# Altium PCB Flight_Computer_Unit.PcbDoc (part 3 of 3)
Units mm, origin at the board's own origin, x right, y up, seen from the top; angles counter-clockwise.
Board outline 31 x 31 mm, 6 copper layers (Top Layer, GND 2, L3, L4, GND 5, Bottom Layer), stack 1.578 mm thick; 101 components, 159 nets, 565 pads, 257 vias.
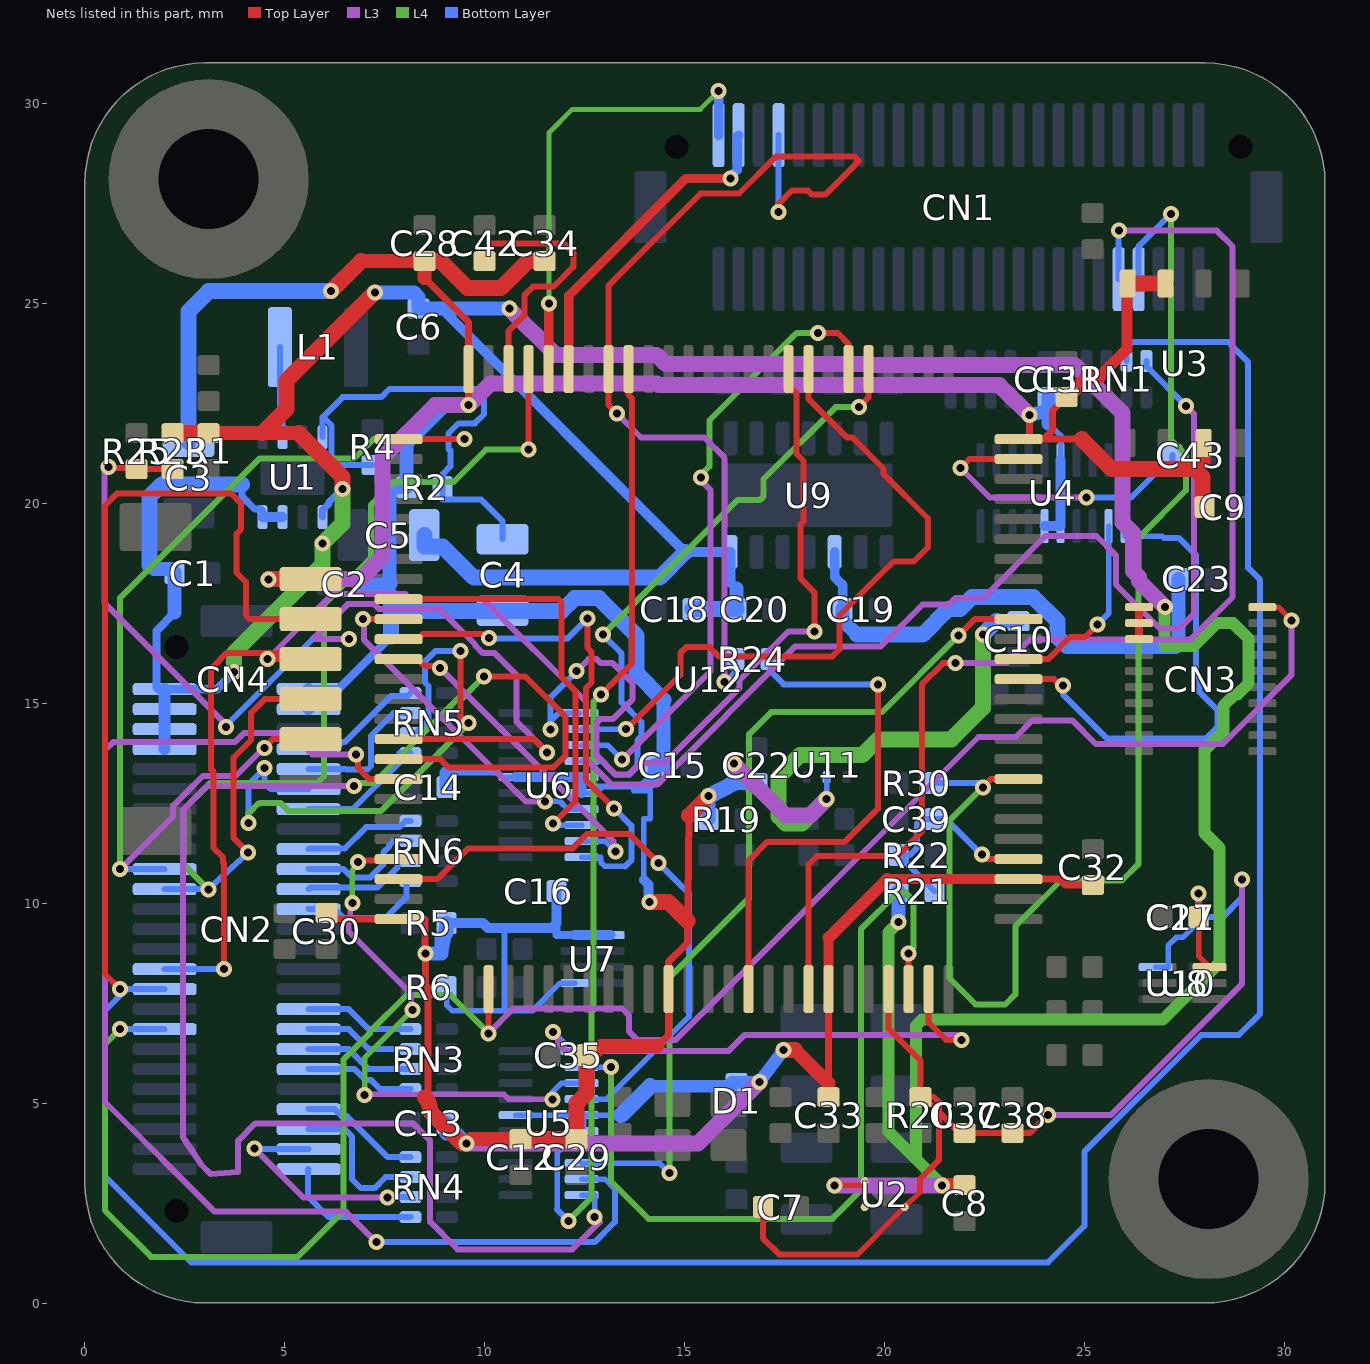
[diagram p7: the nets of this part, all layers, seen from the top]

## Via types
v1: diameter 0.4, hole 0.2, Top Layer to Bottom Layer, 257 vias

## Nets (pads, with @x,y where several pads share a name; then routed paths per layer and width w, separated by ;. In a path a pad name is that pad's centre, name@x,y a point inside that pad or via, vN(x,y) a via of type N, cw(c..) or ccw(c..) an arc to the next point about the centre after c; other vN are vias at no path point) (continued)
SPWR_ON: CN2.35 CN3.2 U12.2 | length 49.7
  Top Layer w0.14: CN3.2@29.44,17.4 29.844,17.4 v1(30.175,17.069)
  Top Layer w0.15: v1(10.1,6.747) U12.2@10.1,7.85
  L3 w0.15: v1(10.1,6.747) 10.719,7.366 13.437,7.366 13.614,7.188 13.614,6.788 13.818,6.585 14.775,6.585 22.346,14.156 23.279,14.156 23.692,14.569 24.689,14.569 25.277,13.98 28.448,13.98 30.175,15.707 v1(30.175,17.069)
  L4 w0.15: v1(0.889,6.858) 0.508,6.477 0.508,2.311 1.663,1.157 5.322,1.157 6.477,2.311 6.477,6.096 7.128,6.747 7.128,6.783 8.045,7.7 9.147,7.7 v1(10.1,6.747)
  Bottom Layer w0.15: v1(0.889,6.858) 0.897,6.85 CN2.35@2,6.85
SS_LED: CN1.10 U12.18 | length 31.6
  Top Layer w0.15: U12.18@18.1,7.85 18.1,10.973 18.303,11.176 20.32,11.176 20.93,11.786 20.93,15.469 21.463,16.002 v1(21.768,16.002)
  L3 w0.15: v1(21.768,16.002) 23.038,16.002 23.628,16.592 27.641,16.592 28.702,17.653 28.702,26.416 28.303,26.815 v1(25.857,26.815)
  Bottom Layer w0.15: CN1.10@25.85,25.6 25.85,26.808 v1(25.857,26.815)
SS_SW: CN1.8 R30.1 U12.33 | length 33.7
  Top Layer w0.15: v1(22.454,12.897) 22.657,13.1 U12.33@23.35,13.1
  L4 w0.15: v1(22.454,12.897) 21.615,12.059 21.615,8.128 22.276,7.468 23.012,7.468 23.266,7.722 23.266,9.423 24.409,10.566 25.933,10.566 26.34,10.973 26.34,19.126 27.534,20.32 27.534,21.209 27.153,21.59 v1(27.153,27.229)
  Bottom Layer w0.15: R30.1@21.25,13 22.35,13 v1(22.454,12.897) ; CN1.8@26.35,25.6 26.35,26.426 v1(27.153,27.229)
SWDCLK: CN2.19 CN4.5 U12.76 | length 26.1
  Top Layer w0.15: v1(4.5,13.875) 4.5,13.897 4.703,14.1 CN4.5@5.65,14.1 ; U12.76@7.85,21.6 v1(9.5,21.6)
  L3 w0.15: v1(0.889,10.85) 2.214,12.175 2.214,12.44 2.953,13.179 3.773,13.179 4.47,13.875 v1(4.5,13.875)
  L4 w0.15: v1(0.889,10.85) 0.889,17.634 4.369,21.113 6.734,21.113 7.221,21.6 v1(9.5,21.6)
  Bottom Layer w0.15: v1(0.889,10.85) CN2.19@2,10.85
SWDIO: CN2.21 CN4.4 U12.72 | length 27.8
  Top Layer w0.15: v1(4.086,11.264) 3.725,11.625 3.725,13.641 4.164,14.08 4.164,14.764 4.5,15.1 CN4.4@5.65,15.1 ; v1(11.1,21.336) U12.72@11.1,23.35
  L4 w0.15: v1(3.099,10.338) 2.475,10.962 2.475,12.347 3.128,13 5.812,13 5.98,13.168 5.98,17.461 7.159,18.64 7.159,19.96 7.722,20.523 9.22,20.523 10.033,21.336 v1(11.1,21.336)
  Bottom Layer w0.15: CN2.21@2,10.35 3.087,10.35 v1(3.099,10.338) ; v1@3.087,10.351 v1(4.086,11.264)
UART1_CTS: U5.8 U12.41 | length 22
  Top Layer w0.15: v1(21.844,16.688) 22.256,17.1 U12.41@23.35,17.1
  L4 w0.15: v1(14.623,3.249) 14.623,8.146 16.612,10.135 16.612,14.224 17.164,14.777 19.933,14.777 v1(21.844,16.688)
  Bottom Layer w0.14: U5.8@12.425,3.5 14.371,3.5
  Bottom Layer w0.15: 14.371,3.5 v1(14.623,3.249)
UART1_CTS_MB: CN2.46 RN4.7 | length 3.9
  Bottom Layer w0.15: CN2.46@5.6,4.35 6.502,4.35 6.68,4.172 6.68,3.105 6.909,2.876 7.248,2.876 7.521,3.15 RN4.7@8.145,3.15
UART1_RTS: U5.7 U12.67 | length 24.5
  Top Layer w0.15: v1(12.903,15.215) 13.678,15.99 13.678,22.622 13.6,22.7 U12.67@13.6,23.35
  L4 w0.15: v1(12.09,2.057) 12.669,2.636 12.669,7.278 12.725,7.335 12.725,15.037 v1(12.903,15.215)
  Bottom Layer w0.14: 11.811,2.337 11.811,3.759 11.952,3.9 U5.7@12.425,3.9
  Bottom Layer w0.15: 11.811,2.337 v1(12.09,2.057)
UART1_RTS_MB: CN2.44 RN4.8 | length 3
  Bottom Layer w0.15: CN2.44@5.6,4.85 6.25,4.85 6.425,4.675 6.556,4.675 7.581,3.65 RN4.8@8.145,3.65
UART1_RX: U5.9 U12.93 | length 33.1
  Top Layer w0.15: v1(6.782,13.716) 6.83,13.668 6.83,13.382 7.112,13.1 U12.93@7.85,13.1
  L3 w0.15: v1(6.782,13.716) 5.69,13.716 5.156,14.25 3.98,14.25 3.755,14.025 0.715,14.025 0.508,13.818 0.508,5.029 3.251,2.286 6.528,2.286 v1(7.29,1.524)
  Bottom Layer w0.14: U5.9@12.425,3.1 13.005,3.1 13.259,2.846 13.259,2.032
  Bottom Layer w0.15: v1(7.29,1.524) 12.751,1.524 13.259,2.032
UART1_RX_MB: CN2.48 RN4.6 | length 5.8
  L3 w0.15: v1(4.248,3.861) 5.468,2.642 v1(7.569,2.642)
  Bottom Layer w0.15: v1(4.248,3.861) 4.259,3.85 CN2.48@5.6,3.85 ; v1(7.569,2.642) 7.578,2.65 RN4.6@8.145,2.65
UART1_TX: U5.10 U12.92 | length 40.6
  Top Layer w0.15: U12.92@7.85,13.6 8.89,13.6 9.104,13.386 11.709,13.386 12.025,13.701 12.025,14.656 11.009,15.672 v1(9.982,15.672)
  L3 w0.15: v1(6.731,12.929) 3.056,12.929 2.464,12.336 2.464,4.14 2.921,3.454 3.15,3.226 3.835,3.277 3.835,4.064 4.267,4.496 8.204,4.496 8.636,4.064 8.636,2.032 9.322,1.346 12.192,1.346 12.878,2.032 v1(12.751,2.159)
  L4 w0.15: v1(6.731,12.929) 6.807,13.005 7.221,13.005 9.341,15.125 9.435,15.125 v1(9.982,15.672)
  Bottom Layer w0.14: U5.10@12.425,2.7 12.751,2.7 v1(12.751,2.159)
UART1_TX_MB: CN2.50 RN4.5 | length 3.5
  Bottom Layer w0.15: CN2.50@5.6,3.35 5.588,3.35 5.588,2.658 6.096,2.15 RN4.5@8.145,2.15
UART2_CTS: U6.8 U12.84 | length 10.7
  Top Layer w0.15: U12.84@7.85,17.6 11.837,17.6 11.925,17.512 11.925,15.645 12.275,15.295 12.275,12.554 v1(11.709,11.989)
  Bottom Layer w0.14: v1(11.709,11.989) 11.748,11.95 U6.8@12.425,11.95
UART2_CTS_MB: CN2.20 RN6.7 | length 3.2
  Bottom Layer w0.15: CN2.20@5.6,10.85 6.477,10.85 6.68,10.647 7.142,10.647 7.468,10.973 7.468,11.269 7.609,11.41 7.609,11.438 7.722,11.55 RN6.7@8.145,11.55
UART2_RTS: U6.7 U12.85 | length 8.6
  Top Layer w0.15: v1(6.96,17.1) U12.85@7.85,17.1
  L3 w0.15: v1(6.96,17.1) 6.98,17.08 6.98,16.59 11.022,12.548 v1(11.512,12.548)
  Bottom Layer w0.14: v1(11.512,12.548) 11.877,12.548 12.075,12.35 U6.7@12.425,12.35
UART2_RTS_MB: CN2.18 RN6.8 | length 2.8
  Bottom Layer w0.15: CN2.18@5.6,11.35 5.618,11.368 6.506,11.368 7.038,11.9 7.87,11.9 8.02,12.05 RN6.8@8.145,12.05
UART2_RX: U6.9 U12.87 | length 8.5
  Top Layer w0.15: U12.87@7.85,16.1 8.325,16.1 8.493,15.932 8.833,15.932 v1(8.88,15.885)
  L3 w0.15: v1(8.88,15.885) 13.224,11.541 13.224,11.338 v1(13.271,11.29)
  Bottom Layer w0.14: U6.9@12.425,11.55 13.012,11.55 v1(13.271,11.29)
UART2_RX_MB: CN2.22 RN6.6 | length 2.9
  Bottom Layer w0.15: CN2.22@5.6,10.35 5.647,10.397 7.323,10.397 7.823,10.897 7.823,11.05 RN6.6@8.145,11.05
UART2_TX: U6.10 U12.86 | length 13.1
  Top Layer w0.15: U12.86@7.85,16.6 8.325,16.6 8.45,16.725 9.942,16.725 10.042,16.625 v1(10.11,16.625) ; v1(12.573,17.12) 12.573,16.378 12.675,16.276 12.675,15.517 12.528,15.37 12.528,13.075 v1(13.233,12.37)
  Bottom Layer w0.14: U6.10@12.425,11.15 12.903,11.15 12.903,11.022 13.005,10.92 13.513,10.92
  Bottom Layer w0.15: v1(10.11,16.625) 10.123,16.612 12.065,16.612 v1(12.573,17.12) ; v1(13.233,12.37) 13.665,11.938 13.665,11.073 13.513,10.92
UART2_TX_MB: CN2.24 RN6.5 | length 3.2
  Bottom Layer w0.15: CN2.24@5.6,9.85 6.25,9.85 6.475,9.625 7.517,9.625 8.052,10.16 8.052,10.55 RN6.5@8.145,10.55
UART3_CTS: U6.2 U12.58 | length 17.3
  Top Layer w0.15: v1(13.538,14.351) 14.89,15.703 14.89,16.256 15.037,16.402 15.621,16.402 15.853,16.17 18.694,16.17 18.867,16.342 18.867,17.192 20.216,18.542 20.726,18.542 21.082,18.898 21.082,19.618 19.975,20.725 19.975,20.855 19.186,21.645 19.055,21.645 18.1,22.6 U12.58@18.1,23.35
  Bottom Layer w0.14: U6.2@12.425,14.35 v1(13.538,14.351)
  Bottom Layer w0.15: v1(13.538,14.351) v1(13.538,14.351)
UART3_CTS_MB: CN2.10 RN5.7 | length 3.6
  Bottom Layer w0.15: CN2.10@5.6,13.35 6.525,13.35 6.534,13.341 7.069,13.341 7.157,13.429 7.157,14.185 7.722,14.75 RN5.7@8.145,14.75
UART3_RTS: U6.1 U12.59 | length 20.6
  Top Layer w0.15: U12.59@17.6,23.35 17.6,22.875 17.65,22.825 17.712,22.825 17.8,22.737 17.8,21.228 17.975,21.053 17.975,19.545 17.9,19.47 17.9,18.114 18.242,17.772 v1(18.242,16.795)
  L3 w0.15: v1(12.3,15.8) 12.601,16.1 12.8,16.1 12.9,16 13.2,16 13.7,15.5 13.7,15.1 13.2,14.6 12.888,14.6 12.8,14.512 12.8,13.695 13.281,13.214 13.592,13.214 13.878,13.5 14.493,13.5 16.367,15.374 16.367,15.567 17.595,16.795 v1(18.242,16.795)
  Bottom Layer w0.14: 11.65,14.547 11.853,14.75 U6.1@12.375,14.75
  Bottom Layer w0.15: 11.65,14.547 11.65,15.15 v1(12.3,15.8)
  other v1: 11.65,14.344
UART3_RTS_MB: CN2.8 RN5.8 | length 3.1
  Bottom Layer w0.15: CN2.8@5.6,13.85 6.25,13.85 6.425,14.025 6.504,14.025 7.654,15.175 8.07,15.175 RN5.8@8.145,15.25
UART3_RX: U6.3 U12.56 | length 15.9
  Top Layer w0.15: v1(18.339,24.257) 18.821,24.257 19.1,23.978 U12.56@19.1,23.35
  L3 w0.15: v1(13.437,13.589) 15.64,15.793 15.64,20.335 15.406,20.569 v1(15.406,20.636)
  L4 w0.15: v1(15.406,20.636) 15.406,20.704 15.621,20.919 15.621,22.073 17.805,24.257 v1(18.339,24.257)
  Bottom Layer w0.14: U6.3@12.425,13.95 13.076,13.95 v1(13.437,13.589)
UART3_RX_MB: CN2.12 RN5.6 | length 15
  Top Layer w0.15: v1(9.4,16.3) 9.4,14.588 9.444,14.588 9.532,14.5 v1(9.6,14.5)
  L4 w0.15: v1(4.1,12) 4.1,12.25 4.34,12.491 4.391,12.491 4.4,12.5 4.9,12.5 5.1,12.3 7.4,12.3 v1(9.6,14.5)
  Bottom Layer w0.15: v1(4.1,12) 4.1,12.975 v1(4.5,13.375) 4.5,13.005 4.655,12.85 CN2.12@5.6,12.85 ; RN5.6@8.145,14.25 8.27,14.25 8.445,14.425 8.449,14.425 8.595,14.571 8.595,15.429 8.505,15.518 8.505,16.04 8.766,16.3 v1(9.4,16.3)
UART3_TX: U6.4 U12.55 | length 15.4
  Top Layer w0.15: v1(19.355,22.403) 19.6,22.648 U12.55@19.6,23.35
  L4 w0.15: v1(12.954,16.713) 16.316,20.075 16.875,20.075 16.975,20.175 16.975,20.605 18.773,22.403 v1(19.355,22.403)
  Bottom Layer w0.14: U6.4@12.425,13.55 12.917,13.55 13.259,13.208 13.614,13.208
  Bottom Layer w0.15: v1(12.954,16.713) 13.425,16.242 13.425,15.023 13.919,14.529 13.919,14.173 13.818,14.072 13.818,13.411 13.614,13.208
UART3_TX_MB: CN2.14 RN5.5 | length 3.3
  Bottom Layer w0.15: CN2.14@5.6,12.35 6.696,12.35 7.874,13.528 7.874,13.75 RN5.5@8.145,13.75
UART4_RX: U5.1 U12.24 | length 13.6
  Top Layer w0.15: U12.24@21.1,7.85 21.1,7.018 21.539,6.579 v1(21.92,6.579)
  L3 w0.15: v1(11.709,6.782) 11.836,6.782 11.836,6.502 12.04,6.299 16.09,6.299 16.491,6.7 21.799,6.7 v1(21.92,6.579)
  Bottom Layer w0.14: v1(11.709,6.782) 11.989,6.502 11.989,6.3 U5.1@12.375,6.3
UART4_RX_MB: CN2.34 RN3.8 | length 2.8
  Bottom Layer w0.15: CN2.34@5.6,7.35 6.604,7.35 7.104,6.85 RN3.8@8.145,6.85
UART4_TX: U5.2 U12.23 | length 21.1
  Top Layer w0.15: U12.23@20.6,7.85 v1(20.6,8.738)
  L4 w0.15: v1(13.157,5.9) 13.157,3.048 14.097,2.108 18.694,2.108 19.406,2.819 19.406,9.347 20.32,10.262 20.523,10.262 20.726,10.058 20.726,8.864 v1(20.6,8.738)
  Bottom Layer w0.14: U5.2@12.425,5.9 v1(13.157,5.9)
UART4_TX_MB: CN2.36 RN3.7 | length 2.8
  Bottom Layer w0.15: CN2.36@5.6,6.85 6.604,6.85 7.104,6.35 RN3.7@8.145,6.35
UART7_RX: U4.1 U12.38 | length 12.6
  Top Layer w0.15: U12.38@23.35,15.6 24.232,15.6 24.312,15.519 24.384,15.519 v1(24.46,15.443)
  Bottom Layer w0.14: U4.1@26,19.475 26,19.177 26.936,19.177 26.981,19.132
  Bottom Layer w0.15: v1(24.46,15.443) 24.46,15.215 25.552,14.122 28.042,14.122 28.315,14.396 28.315,14.834 27.875,15.274 27.875,15.605 27.777,15.703 27.777,18.705 27.35,19.132 26.981,19.132
UART7_RX_MB: CN2.29 CN4.3 RN1.8 | length 50.1
  Top Layer w0.15: v1(3.48,8.35) 3.48,10.986 3.461,11.005 3.461,11.141 3.225,11.377 3.225,13.285 3.164,13.346 3.164,15.864 3.556,16.256 5.182,16.256 CN4.3@5.182,16.1 ; v1(4.572,16.104) 4.576,16.1 CN4.3@5.182,16.1 ; CN4.3@5.65,16.1 CN4.3@5.182,16.1
  L3 w0.15: v1(4.572,16.104) 6.193,17.725 8.019,17.725 8.142,17.602 9.967,17.602 12.528,15.041 12.528,13.614 13.178,12.964 14.31,12.964 17.766,16.42 19.901,16.42 20.945,17.464 21.605,17.464 21.769,17.628 22.463,17.628 24.014,19.178 25.297,19.178 25.781,18.694 25.781,17.966 26.881,16.866 27.375,16.866 27.731,17.221 27.731,22.233 v1(27.54,22.424)
  Bottom Layer w0.15: CN2.29@2,8.35 v1(3.48,8.35) ; RN1.8@26.545,23.555 26.545,23.419 v1(27.54,22.424)
UART7_TX: U4.2 U12.39 | length 4.9
  Top Layer w0.15: U12.39@23.35,16.1 24.09,16.1 24.644,16.654 25.011,16.654 v1(25.324,16.967)
  Bottom Layer w0.14: 25.6,17.243 U4.2@25.6,19.425
  Bottom Layer w0.15: v1(25.324,16.967) 25.6,17.243
UART7_TX_MB: CN2.31 CN4.2 RN1.7 | length 80
  Top Layer w0.15: v1(0.889,7.849) 0.508,8.23 0.508,19.939 0.813,20.244 3.658,20.244 3.912,19.99 3.912,19.352 3.791,19.231 3.791,18.268 4.034,18.025 4.034,17.188 4.121,17.1 CN4.2@5.65,17.1
  Bottom Layer w0.15: v1(0.889,7.849) 0.89,7.85 v1@1.043,7.85 ; CN2.31@2,7.85 v1@1.043,7.85 ; RN1.7@26.045,23.555 26.045,23.876 26.197,24.028 28.587,24.028 29.089,23.526 29.089,18.383 29.388,18.085 29.388,7.239 28.854,6.706 27.915,6.706 24.994,3.785 24.994,1.93 24.079,1.016 2.667,1.016 0.508,3.175 0.508,7.315 v1@1.043,7.85
UART8_RX: U5.3 U12.97 | length 13.9
  Top Layer w0.15: v1(6.829,11.029) 6.864,11.064 7.814,11.064 U12.97@7.85,11.1
  L3 w0.14: v1(6.692,10) 6.643,9.95 6.643,9.643 6.6,9.6 6.6,9.298 8.163,7.735 8.163,7.362 v1(8.2,7.325) ; v1(7,5.2) 7.021,5.221 10.488,5.221 10.615,5.094 v1(11.7,5.094)
  L4 w0.14: v1(6.692,10) 6.687,10.005 6.687,10.817 6.829,10.958 v1(6.829,11.029) ; v1(7,5.2) 7,6.125 v1(8.2,7.325)
  Bottom Layer w0.14: v1(11.7,5.094) 11.7,5.283 11.917,5.5 U5.3@12.425,5.5
UART8_RX_MB: CN2.38 RN3.6 | length 2.8
  Bottom Layer w0.15: CN2.38@5.6,6.35 6.604,6.35 7.104,5.85 RN3.6@8.145,5.85
UART8_TX: U5.4 U12.98 | length 15
  Top Layer w0.15: U12.98@7.85,10.6 8.814,10.6 9.578,11.364 12.192,11.364 12.554,11.726 13.623,11.726 v1(14.351,10.998)
  Bottom Layer w0.14: U5.4@12.425,5.1 13.05,5.1 15.113,7.163
  Bottom Layer w0.15: v1(14.351,10.998) 15.113,10.236 15.113,7.163
UART8_TX_MB: CN2.40 RN3.5 | length 2.8
  Bottom Layer w0.15: CN2.40@5.6,5.85 6.75,5.85 7.025,5.575 7.16,5.575 7.385,5.35 RN3.5@8.145,5.35
USB_N: CN1.47 U12.70 | length 8.3
  Top Layer w0.23: U12.70@12.1,23.35 12.1,25.188 15.029,28.118 v1(16.147,28.118)
  Bottom Layer w0.23: v1(16.147,28.118) 16.147,28.164 16.315,28.332 16.315,29.165 CN1.47@16.35,29.2
USB_P: CN1.49 U12.71 | length 11.7
  Top Layer w0.23: U12.71@11.6,23.35 11.6,24.986 v1(11.608,24.994)
  L4 w0.126: v1(11.608,24.994) 11.608,29.261 12.192,29.845 15.393,29.845 v1(15.85,30.302)
  Bottom Layer w0.23: CN1.49@15.85,29.2 v1(15.85,30.302)
USB_VBUS: CN1.43 R24.1 U12.68 | length 25
  Top Layer w0.15: v1(13.303,22.247) 13.1,22.45 U12.68@13.1,23.35 13.1,25.444 15.398,27.743 16.358,27.743 17.278,28.663 19.241,28.663 19.355,28.55 18.517,27.711 18.186,27.711 18.08,27.818 17.678,27.818 17.348,27.488 v1(17.348,27.28)
  L3 w0.15: v1(13.303,22.247) 13.909,21.641 15.494,21.641 16.002,21.133 16.002,15.54 v1(15.992,15.53)
  Bottom Layer w0.15: v1(15.992,15.53) 16.012,15.53 16.25,15.767 R24.1@16.25,16.1 ; v1(17.348,27.28) 17.35,27.281 CN1.43@17.35,29.2
USB_VBUS_SENSE: R24.2 U12.15 | length 13.2
  Top Layer w0.15: U12.15@16.6,7.85 16.6,11.063 17.069,11.532 18.999,11.532 19.837,12.37 v1(19.837,15.469)
  Bottom Layer w0.15: R24.2@17.15,16.1 17.15,15.795 17.475,15.469 v1(19.837,15.469)
VCAP1: C43.1 U12.49 | length 7.8
  Top Layer w0.15: v1(21.895,20.879) 22.116,21.1 U12.49@23.35,21.1
  L3 w0.15: v1(21.895,20.879) 22.631,20.142 v1(25.044,20.142)
  Bottom Layer w0.15: v1(25.044,20.142) 26.162,20.142 26.848,20.828 27.2,20.828 C43.1@27.2,21.2
VCAP2: C42.1 U12.73 | length 6.5
  Top Layer w0.15: C42.1@10,26.05 10.16,26.492 11.989,26.492 12.217,26.264 12.217,25.908 11.722,25.412 11.208,25.412 10.992,25.197 10.992,24.7 10.6,24.308 U12.73@10.6,23.35
VCC3: C2.2 C3.2 C4.2 C9.2 C10.2 C11.2 C12.2 C13.2 C14.2 C15.1 C16.2 C22.2 C28.1 C29.1 C30.1 C31.1 C32.1 C33.1 C34.1 C35.1 CN2.2 CN2.4 CN4.1 D1.2 R2.2 R5.1 R6.2 R19.2 U3.3 U3.7 U3.8 U4.5 U4.6 U4.16 U5.5 U5.6 U5.16 U6.5 U6.6 U6.16 U7.1 U7.5 U7.8 U11.5 U12.11 U12.19 U12.28 U12.50 U12.75 U12.100 | length 174.6
  Top Layer w0.175: C30.1@6.05,9.75 6.2,9.6 8.509,9.6 v1@8.509,8.745 ; 8.5,25.629 9.6,24.529 U12.75@9.6,23.35 v1(9.6,22.45) ; 8.509,5.141 8.587,5.22 8.587,7.885 8.517,7.956 v1(8.517,8.738) ; 14.321,6.426 14.6,6.706 U12.11@14.6,7.85 14.6,8.534 15.069,9.003 ; 15.069,9.559 15.069,9.003 ; 15.114,12.188 15.069,9.003 ; C33.1@18.6,5.15 18.6,5.486 U12.19@18.6,7.85 ; U12.28@23.35,10.6 24.365,10.6 24.515,10.45 C32.1@25.205,10.45 ; U12.50@23.35,21.6 U12.50@23.47,21.6 ; v1(23.622,22.2) 23.622,21.638 23.584,21.6 U12.50@23.47,21.6 ; C31.1@24.55,22.65 24.525,22.65 24.194,22.319 24.194,21.816 23.978,21.6 ; 24.933,21.6 23.978,21.6 ; U12.50@23.47,21.6 23.978,21.6
  Top Layer w0.25: U12.19@18.6,7.85 18.6,9.139 ; 20.061,10.6 U12.28@23.35,10.6
  Top Layer w0.28: 25.375,23.165 26.06,23.849 26.06,25.475 U3.8@26.075,25.49
  Top Layer w0.3: 18.6,9.139 20.061,10.6
  Top Layer w0.35: 6.909,26.05 C28.1@8.5,26.05 8.5,25.629 ; v1@9.663,4.1 C12.2@10.9,4.1 ; C35.1@12.55,6.2 12.7,6.2 12.926,6.426 14.321,6.426 ; 17.762,6.325 18.6,5.486 ; C31.1@24.55,22.65 24.625,22.725 24.65,22.725 25.09,23.165 25.375,23.165 ; U3.3@27.95,21.485 U3.3@27.975,21.51
  Top Layer w0.4: v1(4.592,18.091) 4.601,18.1 CN4.1@5.65,18.1 ; v1(6.157,25.298) 6.909,26.05 ; C28.1@8.5,26.05 8.9,26.05 9.576,25.375 10.399,25.375 11.074,26.05 C34.1@11.5,26.05 ; 8.51,5.141 cw(c8.23,4.855) 8.63,4.855 8.63,4.801 9.444,3.988 v1(9.55,3.988) ; C12.2@10.9,4.1 C29.1@12.3,4.1 12.3,5.004 12.55,5.254 C35.1@12.55,6.2 ; v1(14.125,10.028) 14.6,10.028 15.069,9.559 ; 15.114,12.188 v1(15.6,12.675) ; v1(17.475,6.325) 17.762,6.325 ; 24.933,21.6 25.679,20.853 27.746,20.853 ; U3.8@26.075,25.49 U3.7@27.025,25.49 ; U3.3@27.95,21.485 27.95,21.057 27.746,20.853 ; C9.2@28,19.9 27.95,19.95 27.95,20.649 27.746,20.853
  L3 w0.4: v1(4.592,18.091) 4.601,18.1 6.899,18.1 7.442,18.644 7.442,21.133 8.759,22.45 v1(9.6,22.45) 10.147,22.997 14.303,22.997 14.346,22.954 22.868,22.954 v1(23.622,22.2) ; v1(9.55,3.988) 15.328,3.988 v1(16.866,5.525) ; v1(16.231,13.487) 17.526,12.192 18.136,12.192 v1(18.55,12.606)
  L4 w0.4: v1(18.55,12.606) 17.932,11.989 17.526,11.989 17.348,12.167 17.348,13.165 17.882,13.699 19.439,13.699 19.837,14.097 21.666,14.097 22.454,14.884 v1(22.454,16.713)
  Bottom Layer w0.14: R6.2@9.05,7.9 9.05,7.45 9.185,7.315 10.5,7.315 11.202,7.315 11.887,8 U7.5@12.25,8 ; 9.05,13.259 10.341,13.259 10.45,13.15 U6.16@10.775,13.15 ; U5.16@10.775,4.7 U5.5@12.425,4.7 13.411,4.7 ; U6.6@12.425,12.75 U6.6@12.787,12.75 ; 13.98,10.581 13.98,12.106 14.137,12.106 14.137,12.816 13.73,12.816 13.73,12.918 ; 14.021,12.918 13.73,12.918 ; v1(18.55,12.606) U11.5@18.55,13.15 ; 24.1,21.992 24.4,21.692 U4.16@24.4,21.075 ; U6.6@12.787,12.75 12.787,12.918 12.955,12.918 ; U6.6@12.787,12.75 12.955,12.918 ; 12.955,12.918 13.73,12.918
  Bottom Layer w0.15: 10.5,7.315 10.5,9.375
  Bottom Layer w0.2: 11.8,9.5 11.8,9.2 U7.8@12.25,9.2
  Bottom Layer w0.21: CN2.2@5.6,15.35 6.349,15.35 7.663,16.664
  Bottom Layer w0.25: R5.1@9.05,9.5 9.963,9.5 10.088,9.375 10.5,9.375 11.675,9.375 11.8,9.5 C16.2@11.8,10.3 ; U6.16@10.775,13.15 U6.5@12.425,13.15 U6.6@12.425,12.75 ; U7.8@12.25,9.2 U7.1@13.15,9.2 ; U5.6@12.425,4.3 U5.5@12.425,4.7 ; 13.98,10.581 14.096,10.466 14.096,10.056 v1(14.125,10.028) ; U4.6@24,19.425 U4.5@24.4,19.425 U4.16@24.4,21.075
  Bottom Layer w0.3: CN2.4@5.6,14.85 CN2.2@5.6,15.35
  Bottom Layer w0.315: 14.136,5.425 16.183,5.425 16.183,5.525 D1.2@16.3,5.525 v1(16.866,5.525) v1(17.475,6.325)
  Bottom Layer w0.35: C2.2@6.95,17.97 7.371,17.97 ; 7.595,17.97 7.371,17.97 ; 7.62,17.995 7.62,20.298 7.722,20.4 R2.2@8.05,20.4 8.05,21.488 9.012,22.45 ; 8.031,17.31 7.663,17.678 7.371,17.97 ; v1(8.517,8.738) 8.917,8.738 ; C13.2@9.05,4.5 C13.2@9.05,4.488 ; C14.2@9.05,12.9 9.05,13.259 ; v1(9.55,3.988) 9.296,4.242 ; 14.021,12.918 14.25,13.147 C15.1@14.25,13.45 14.466,13.45 14.466,15.076 ; R19.2@15.6,12.1 v1(15.6,12.675) ; v1(16.231,13.487) 16.231,13 C22.2@16.8,13 ; 22.79,17.05 C10.2@23.35,17.05 ; v1(23.622,22.2) 24.1,22.322 ; 24.1,21.992 24.1,22.322 ; C11.2@24.1,22.65 24.1,22.322 ; 8.917,8.738 8.917,9.117 8.997,9.197 ; 8.917,8.738 8.997,9.197 ; 8.997,9.197 R5.1@9.05,9.5 9.05,9.25 8.997,9.197 ; C13.2@9.05,4.488 9.296,4.242 ; C13.2@9.05,4.488 9.05,4.242 9.296,4.242
  Bottom Layer w0.4: C3.2@2.6,21.535 2.591,21.535 2.591,24.79 3.099,25.298 v1(6.157,25.298) ; 7.595,17.97 7.62,17.995 ; 7.663,16.664 7.663,17.678 ; 8.031,17.31 C4.2@10.45,17.31 11.931,17.31 12.248,17.627 12.856,17.627 13.8,16.684 13.8,15.742 14.466,15.076 ; 9.012,22.45 v1(9.6,22.45) ; 13.411,4.7 14.136,5.425 ; v1(15.6,12.675) 16.231,13 ; v1(22.454,16.713) 22.79,17.05
VCC3A: C7.2 C17.2 C21.2 C37.1 C38.2 R20.1 U2.1 U8.6 U10.6 U12.22 | length 30.2
  Top Layer w0.14: 19.319,1.219 U2.1@20.5,2.4 20.879,2.779 ; C17.2@27.85,9.65 27.85,8.675 U8.6@28.125,8.4
  Top Layer w0.15: C7.2@16.955,2.4 16.955,1.626 17.361,1.219 19.319,1.219 ; U12.22@20.1,7.85 20.1,6.858 20.9,6.058 R20.1@20.9,5.15 R20.1@20.98,5.15 ; 20.879,2.779 20.879,3.099 21.361,3.581 21.361,4.769 ; v1(24.079,4.699) 23.63,4.25 C38.2@23.2,4.25 C37.1@22,4.25 21.88,4.25 21.361,4.769 ; C17.2@27.85,9.65 v1(27.85,10.236) ; R20.1@20.98,5.15 21.234,5.15 21.361,5.023 21.361,4.769 ; R20.1@20.98,5.15 21.361,4.769
  L3 w0.15: v1(24.079,4.699) 25.654,4.699 28.931,7.976 v1(28.931,10.592)
  Bottom Layer w0.14: U10.6@26.775,8.4 27.087,8.4 27.087,8.941 27.291,9.144 27.457,9.144 C21.2@27.85,9.537
  Bottom Layer w0.15: C21.2@27.85,9.537 C21.2@27.85,9.65 ; v1(27.85,10.236) C21.2@27.85,9.65 ; v1(28.931,10.592) 28.931,10.133 28.448,9.65 C21.2@27.85,9.65
VCC5: C1.2 C5.2 C6.2 C8.2 C18.2 C19.2 C20.2 C23.2 CN2.1 CN2.3 CN2.5 CN2.7 CN3.1 CN3.3 CN3.5 R1.2 R21.2 R23.2 U1.5 U1.7 U1.8 U2.3 U2.4 U9.3 U9.7 | length 125.1
  Top Layer w0.14: v1(18.745,2.946) 19.396,2.946 U2.3@19.5,3.05 U2.4@19.5,2.4
  Top Layer w0.2: CN3.5@26.36,16.6 CN3.3@26.36,17 CN3.1@26.36,17.4
  Top Layer w0.35: R1.2@3.1,21.75 4.439,21.75 5.35,21.75 ; v1@21.441,2.95 C8.2@22,2.95
  Top Layer w0.4: R23.2@2.2,21.75 R1.2@3.1,21.75 ; 4.439,21.75 5.041,22.352 5.041,23.058 v1(7.256,25.273) ; 5.35,21.75 6.441,20.659 v1(6.441,20.353) ; v1(21.438,2.946) v1@21.441,2.95
  L3 w0.4: v1(10.617,24.865) 11.772,23.71 14.297,23.71 14.532,23.475 19.629,23.475 19.651,23.454 24.748,23.454 25.944,22.258 25.944,19.519 26.21,19.252 26.21,18.299 26.352,18.157 26.352,18.057 v1(27.01,17.4) ; v1(18.745,2.946) v1(21.438,2.946)
  L4 w0.3: v1(20.35,9.525) 20.091,9.266 20.091,4.293 20.777,3.607 ; v1(21.438,2.946) 20.777,3.607 ; v1(27.01,17.4) 27,17.391 27,16.424 27.724,16.424 28.3,17 28.707,17 29.1,16.607 29.1,15.5 28.817,15.217 28.748,15.217 28.465,14.935 28.465,14.297 27.996,13.828 27.996,11.755 28.372,11.379 28.372,8.509 26.949,7.087 20.93,7.087 20.777,6.934 20.777,3.607
  L4 w0.4: v1(3.734,15.773) 3.734,16.256 5.95,18.472 v1(5.95,18.993) 6.441,19.484 v1(6.441,20.353)
  Bottom Layer w0.175: 3.928,20.472 3.928,20.172 4.245,19.855 4.412,19.855 4.45,19.817 U1.8@4.45,19.65 ; U1.5@5.95,19.65 5.95,19.825 6.11,19.985 6.11,20.029 6.433,20.353 v1(6.441,20.353)
  Bottom Layer w0.21: 2.25,17.263 1.795,16.808 1.795,15.395 1.84,15.35 CN2.1@2,15.35 3.31,15.35 v1(3.734,15.773)
  Bottom Layer w0.245: 8.917,24.865 15.002,18.78 15.021,18.78 U9.7@16.15,18.78 16.15,18.013 16.3,17.863 ; U9.3@18.75,18.78 18.75,18.158 18.95,17.958 C19.2@18.95,17.35
  Bottom Layer w0.25: U1.8@4.45,19.65 U1.7@4.95,19.65
  Bottom Layer w0.3: CN2.7@2,13.85 CN2.1@2,15.35
  Bottom Layer w0.35: 1.626,18.453 1.729,18.35 2.175,18.35 2.25,18.275 2.25,17.263 ; v1(7.256,25.273) 8.23,25.273 8.35,25.153 C6.2@8.35,24.865 8.917,24.865 v1(10.617,24.865) ; C20.2@16.3,17.35 16.3,17.863 ; C19.2@18.95,17.35 18.95,17.067 19.304,16.713 ; v1(20.35,9.525) R21.2@20.35,10.3 ; 27.35,16.501 C23.2@27.35,18.105
  Bottom Layer w0.4: 1.626,18.453 1.626,20.169 1.929,20.472 3.928,20.472 ; C5.2@8.49,19.2 8.49,18.923 8.941,18.923 9.728,18.136 14.376,18.136 15.021,18.78 ; C18.2@15.2,17.35 C20.2@16.3,17.35 ; 19.304,16.713 20.948,16.713 21.594,17.36 21.888,17.36 22.181,17.653 23.718,17.653 24.316,17.055 24.316,16.662 24.552,16.426 27.275,16.426 27.35,16.501
VCC5_SENSE: C39.2 R21.1 R22.2 U12.29 | length 5.4
  Top Layer w0.15: v1(22.428,11.211) 22.539,11.1 U12.29@23.35,11.1
  Bottom Layer w0.15: R21.1@21.25,10.3 21.245,10.3 20.35,11.195 R22.2@20.35,11.2 20.625,11.2 20.803,11.378 20.803,11.989 20.914,12.1 C39.2@21.25,12.1 21.539,12.1 v1(22.428,11.211)
VCC5_SENSE_B: R23.1 R25.2 U12.91 | length 26.5
  Top Layer w0.15: v1(0.6,20.9) 0.625,20.875 1.275,20.875 R25.2@1.3,20.85 R23.1@2.2,20.85 ; U12.91@7.85,14.1 11.231,14.1 v1(11.56,13.771)
  L3 w0.15: v1(0.6,20.9) 0.588,20.9 0.5,20.812 0.5,17.5 3.539,14.461 v1(3.539,14.4) ; v1(6.605,16.6) 5.8,16.6 5.75,16.65 6.575,17.475 7.241,17.475 7.364,17.352 8.878,17.352 9.775,16.455 9.775,16.429 9.954,16.25 10.25,16.25 10.8,15.7 10.8,14.531 v1(11.56,13.771)
  Bottom Layer w0.15: v1(3.539,14.4) 3.539,14.443 5.696,16.6 v1(6.605,16.6)
VCC_FB: C4.1 R2.1 R4.2 U1.4 | length 12.6
  Bottom Layer w0.15: U1.4@5.95,21.65 5.95,22.13 ; R4.2@7.2,20.95 6.33,20.95 6.172,21.107 6.172,21.946 5.988,22.13 5.95,22.13 ; C4.1@10.45,19.1 10.45,19.551 9.904,20.097 8.95,20.097 R2.1@8.95,20.4 8.95,20.726 9.144,20.92 9.144,21.311 9.093,21.361 9.093,21.742 9.347,21.996 9.754,21.996 9.982,22.225 9.982,22.631 9.754,22.86 7.62,22.86 7.411,22.651 6.452,22.651 5.95,22.149 5.95,22.13
VCC_SW: L1.1 U1.2 | length 2.3
  Bottom Layer w0.15: L1.1@4.88,23.9 4.88,22.295 4.95,22.225 U1.2@4.95,21.65
pads on no net: CN1.H1 CN1.H2 CN2.6 CN2.9 CN2.39 CN2.H1 CN2.H2 U8.3 U10.3

## Polygon pours and split planes (outlines as drawn)
VCC3 on L3 "VCC3_L06_P-001" (solid, remove dead copper, pour order 25): 27.803,24.496 27.979,3.311 4.354,3.311 3.686,4.731 3.863,24.457
VCC5 on L3 "VCC3_L06_P-001" (solid, remove dead copper, pour order 24): 28.006,16.608 28.006,25.5 9.943,25.5 9.849,21.593
GND on L3 "GND_L03_P018" (solid, remove dead copper, pour order 18): 3.006,0.006 cw(c3.006,3.006) 0.006,3.006 0.006,28.006 cw(c3.006,28.006) 3.006,31.006 28.006,31.006 cw(c28.006,28.006) 31.006,28.006 31.006,3.006 cw(c28.006,3.006) 28.006,0.006
GND on L3 "VCC5_L06_P-001" (solid, remove dead copper, pour order 10): 15.4,30.8 0.3,14.2 0.3,30.9 15.3,30.9
GND on Top Layer "GND_L01_P022" (solid, remove dead copper, pour order 22): 3.012,0 cw(c3.012,3) 0.012,3 0.012,28 cw(c3.012,28) 3.012,31 28.012,31 cw(c28.012,28) 31.012,28 31.012,3 cw(c28.012,3) 28.012,0
VCC3 on Top Layer "VCC3_L06_P-001" (solid, remove dead copper, pour order 21): 13.806,10.234 13.806,9.427 14.063,9.427 14.312,9.427 14.357,9.427 14.357,6.678 14.304,6.624 12.297,6.624 12.297,5.379 12.308,5.369 12.007,5.068 12.007,4.349 9.528,4.338 9.432,4.435 8.745,5.122 8.745,7.966 8.745,9.687 6.43,9.687 6.43,10.038 5.739,10.038 5.739,9.481 6.481,9.481 6.8,9.481 6.8,3.534 9.507,3.534 9.528,3.512 9.878,3.862 12.655,3.862 12.655,4.976 12.789,5.109 12.789,6.156 14.351,6.156 14.872,6.678 14.872,8.481 15.076,8.685 15.903,8.685 15.903,10.7 16.557,11.283 17.037,11.763 19.002,11.763 19.161,11.922 19.161,13.9 16.317,13.9 15.617,13.2 15.599,13.2 14.941,12.541 14.941,10.492 14.683,10.234
VCC3 on Top Layer "VCC3_L01_P003" (solid, remove dead copper, pour order 3): 11.193,26.319 11.8,26.319 11.8,26.234 11.8,25.773 11.193,25.773 10.675,25.375 9.846,24.546 9.846,22.233 9.833,22.233 9.7,22.1 9.679,22.121 8.679,22.121 7.871,22.929 7.9,25 5.598,25 5.598,25.549 5.598,27.822 7.522,27.822 7.956,27.389 7.956,26.674 9.7,26.674 9.7,25.7 10.303,25.7 10.922,26.319
VCC5 on Top Layer "VCC5_L01_P002" (solid, remove dead copper, pour order 2): 6.997,25.5 3.5,22.1 1.8,22.1 1.8,21.457 1.799,21.456 4.37,21.456 4.37,20.33 5,19.7 7,19.7 7,20.437 6.146,21.291 6.146,22.146 7.8,23.8 7.8,25.5
GND on Top Layer "GND_L01_P001" (solid, pour order 1): 3.8,9.1 6.429,9.1 6.429,8.864 6.429,0.7 3.8,0.7
GND on Top Layer "GND_L01_P000" (solid, remove dead copper, pour order 0): 2.5,20 3.531,20 3.531,17.1 2.8,16.5 2.8,15.9 2.8,11.3 2.2,10.7 2.2,8.6 1.3,8.6 0.9,8.6 0.7,8.6 0.7,20
GND on Bottom Layer "GND_L06_P020" (solid, remove dead copper, pour order 20): 3.006,0.006 cw(c3.006,3.006) 0.006,3.006 0.006,28.006 cw(c3.006,28.006) 3.006,31.006 28.006,31.006 cw(c28.006,28.006) 31.006,28.006 31.006,3.006 cw(c28.006,3.006) 28.006,0.006
GND on Bottom Layer "GND_L06_P-001" (solid, remove dead copper, pour order 9): 30.5,30.4 30.6,24.4 30.6,24.1 25,24.185 25,30.4 25.9,30.4
VCC5 on Bottom Layer "VCC5_L06_P008" (solid, remove dead copper, pour order 8): 3.111,14.311 3.111,13.7 0.8,13.7 0.77,16.653 0.77,20.755 4.164,20.755 4.188,20.071 5.136,20.071 5.136,19.31 3.888,19.292 3.888,16.1 4.188,16.1 4.188,15.7
VCC3 on L4 "VCC5_L06_P-001" (solid, remove dead copper, pour order 23): 25.609,26.203 23.185,26.203 6.223,9.306 6.223,6.909 25.609,7 25.609,9.8
GND on L4 "GND_L04_P019" (solid, remove dead copper, pour order 19): 3.006,0.006 cw(c3.006,3.006) 0.006,3.006 0.006,28.006 cw(c3.006,28.006) 3.006,31.006 28.006,31.006 cw(c28.006,28.006) 31.006,28.006 31.006,3.006 cw(c28.006,3.006) 28.006,0.006
GND on GND 5 (split plane): 28.224,30.489 28.439,30.46 28.651,30.413 28.859,30.348 29.059,30.265 29.252,30.164 29.436,30.048 29.608,29.915 29.768,29.768 29.915,29.608 30.048,29.436 30.164,29.252 30.265,29.059 30.348,28.859 30.413,28.651 30.46,28.439 30.489,28.224 30.497,28.022 30.496,28.006 30.496,3.006 30.497,2.99 30.489,2.789 30.46,2.574 30.413,2.361 30.348,2.154 30.265,1.953 30.164,1.76 30.048,1.577 29.915,1.405 29.768,1.244 29.608,1.097 29.436,0.965 29.252,0.848 29.059,0.748 28.859,0.665 28.651,0.599 28.439,0.552 28.224,0.524 28.022,0.515 28.006,0.517 3.006,0.517 2.99,0.515 2.789,0.524 2.574,0.552 2.361,0.599 2.154,0.665 1.953,0.748 1.76,0.848 1.577,0.965 1.405,1.097 1.244,1.244 1.097,1.405 0.965,1.577 0.848,1.76 0.748,1.953 0.665,2.154 0.599,2.361 0.552,2.574 0.524,2.789 0.515,2.99 0.517,3.006 0.517,28.006 0.515,28.022 0.524,28.224 0.552,28.439 0.599,28.651 0.665,28.859 0.748,29.059 0.848,29.252 0.965,29.436 1.097,29.608 1.244,29.768 1.405,29.915 1.577,30.048 1.76,30.164 1.953,30.265 2.154,30.348 2.361,30.413 2.574,30.46 2.789,30.489 2.99,30.497 3.006,30.496 28.006,30.496 28.022,30.497
GND on GND 2 (split plane): 28.224,30.489 28.439,30.46 28.651,30.413 28.859,30.348 29.059,30.265 29.252,30.164 29.436,30.048 29.608,29.915 29.768,29.768 29.915,29.608 30.048,29.436 30.164,29.252 30.265,29.059 30.348,28.859 30.413,28.651 30.46,28.439 30.489,28.224 30.497,28.022 30.496,28.006 30.496,3.006 30.497,2.99 30.489,2.789 30.46,2.574 30.413,2.361 30.348,2.154 30.265,1.953 30.164,1.76 30.048,1.577 29.915,1.405 29.768,1.244 29.608,1.097 29.436,0.965 29.252,0.848 29.059,0.748 28.859,0.665 28.651,0.599 28.439,0.552 28.224,0.524 28.022,0.515 28.006,0.517 3.006,0.517 2.99,0.515 2.789,0.524 2.574,0.552 2.361,0.599 2.154,0.665 1.953,0.748 1.76,0.848 1.577,0.965 1.405,1.097 1.244,1.244 1.097,1.405 0.965,1.577 0.848,1.76 0.748,1.953 0.665,2.154 0.599,2.361 0.552,2.574 0.524,2.789 0.515,2.99 0.517,3.006 0.517,28.006 0.515,28.022 0.524,28.224 0.552,28.439 0.599,28.651 0.665,28.859 0.748,29.059 0.848,29.252 0.965,29.436 1.097,29.608 1.244,29.768 1.405,29.915 1.577,30.048 1.76,30.164 1.953,30.265 2.154,30.348 2.361,30.413 2.574,30.46 2.789,30.489 2.99,30.497 3.006,30.496 28.006,30.496 28.022,30.497

## Silkscreen, mask and mechanical layers (free items; w line width, h text height)
Top Overlay:
  text "Eng. FORTAS Chihabeddine" at 4.9,30.15 h0.8
  text "Flight Computer Unit rev 1.0" at 6,29.269 h0.9
Mechanical 1:
  the board outline again, w0.013